# KiCad board Infernum HS.kicad_pcb (continued)
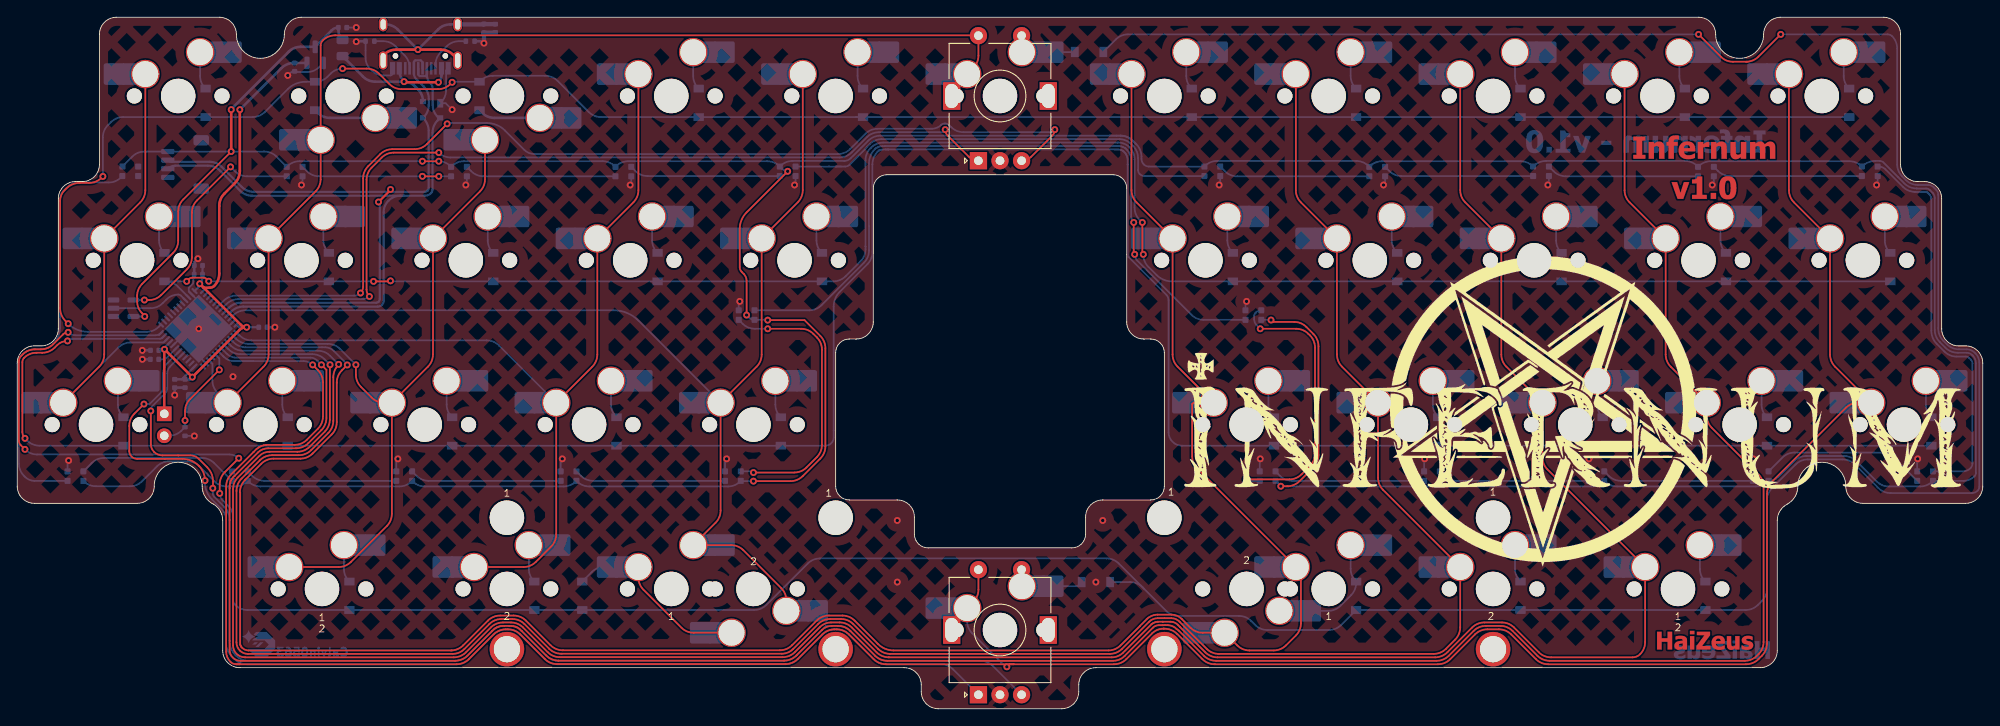
[diagram p0: board, top side]
## Routing (per net, layer and track width the routed paths; a pad name or vN(x,y) marks a point on that pad's centre or on a via; arc(x,y) is an arc through that point) (continued)
Net-(D46-DIN): length 17.6
  Bottom w0.2: D60.1 185.87,26.42 arc(185.1,26.57) 184.45,27.01 D46.3
Net-(D46-DOUT): length 17.6
  Bottom w0.2: D59.3 165.4,27.01 arc(166.05,26.57) 166.82,26.42 D46.1
Net-(D48-DIN): length 17.6
  Bottom w0.2: D48.3 146.35,27.01 arc(147,26.57) 147.77,26.42 D59.1
Net-(D49-DOUT): length 33.5
  Top w0.2: v1(86.98,44.05) 90.85,44.05 arc(91.62,43.9) 92.26,43.47 92.68,43.05 arc(93.11,42.4) 93.27,41.64 93.27,30.59 arc(93.11,29.83) 92.68,29.18 91.47,27.97 arc(90.82,27.54) 90.06,27.38 v1(85.33,27.38)
  Bottom w0.2: v1(86.98,44.05) 85.49,44.05 arc(84.72,44.21) 84.07,44.64 D49.1 ; v1(85.33,27.38) 85.19,27.52 D54.3
Net-(D51-DIN): length 48.9
  Bottom w0.2: D52.1 1.98,26.42 arc(1.41,26.54) 0.92,26.86 0.78,27 arc(0.35,27.65) 0.19,28.42 0.19,40.19 arc(0.28,40.64) 0.53,41.01 0.6,41.09 arc(1.25,41.52) 2.02,41.67 2.74,41.67 arc(3.51,41.82) 4.16,42.26 arc(4.75,43.14) 4.96,44.18 4.96,59.05 arc(5.06,59.57) 5.35,60.01 5.85,60.51 arc(6.41,60.88) 7.07,61.01 10.61,61.01 arc(11.37,61.17) 12.02,61.6 D51.3
Net-(D52-DIN): length 18.8
  Bottom w0.2: 24.88,26.42 22.81,28.49 arc(22.16,28.93) 21.4,29.08 10.05,29.08 arc(9.28,28.93) 8.63,28.49 7.66,27.52
Net-(D53-DIN): length 17.6
  Bottom w0.2: D53.3 46.28,27.01 arc(46.92,26.57) 47.69,26.42 D58.1
Net-(D53-DOUT): length 17.6
  Bottom w0.2: D57.3 27.23,27.01 arc(27.87,26.57) 28.64,26.42 D53.1
Net-(D54-DOUT): length 17.6
  Bottom w0.2: 64.81,27.52 65.33,27.01 arc(65.97,26.57) 66.74,26.42 D54.1
Net-(USB1-CC1): length 5.8
  Bottom w0.2: R_USB1.1 42.42,77.39 arc(43.19,77.24) 43.84,76.8 44.89,75.75 arc(45.32,75.1) 45.48,74.34 USB1.4
Net-(USB1-CC2): length 5.4
  Bottom w0.2: R_USB2.1 51.19,77.39 arc(50.43,77.24) 49.78,76.8 49.06,76.09 arc(48.63,75.44) 48.48,74.67 USB1.10

## Copper pours and planes (outline as drawn; the poured copper is in the pictures)
GND on Top, Bottom: 230.32,87.07 230.11,-4.83 -3.36,-4.83 -3.26,87.17

## Text on the board
Bottom: Calvin0563
B.Silkscreen: 1 / 2 | 1 | 2 | BOOT
F.Silkscreen: 1 / 2 | 1 | 2
